# KiCad board Boom-1.kicad_pcb (continued)
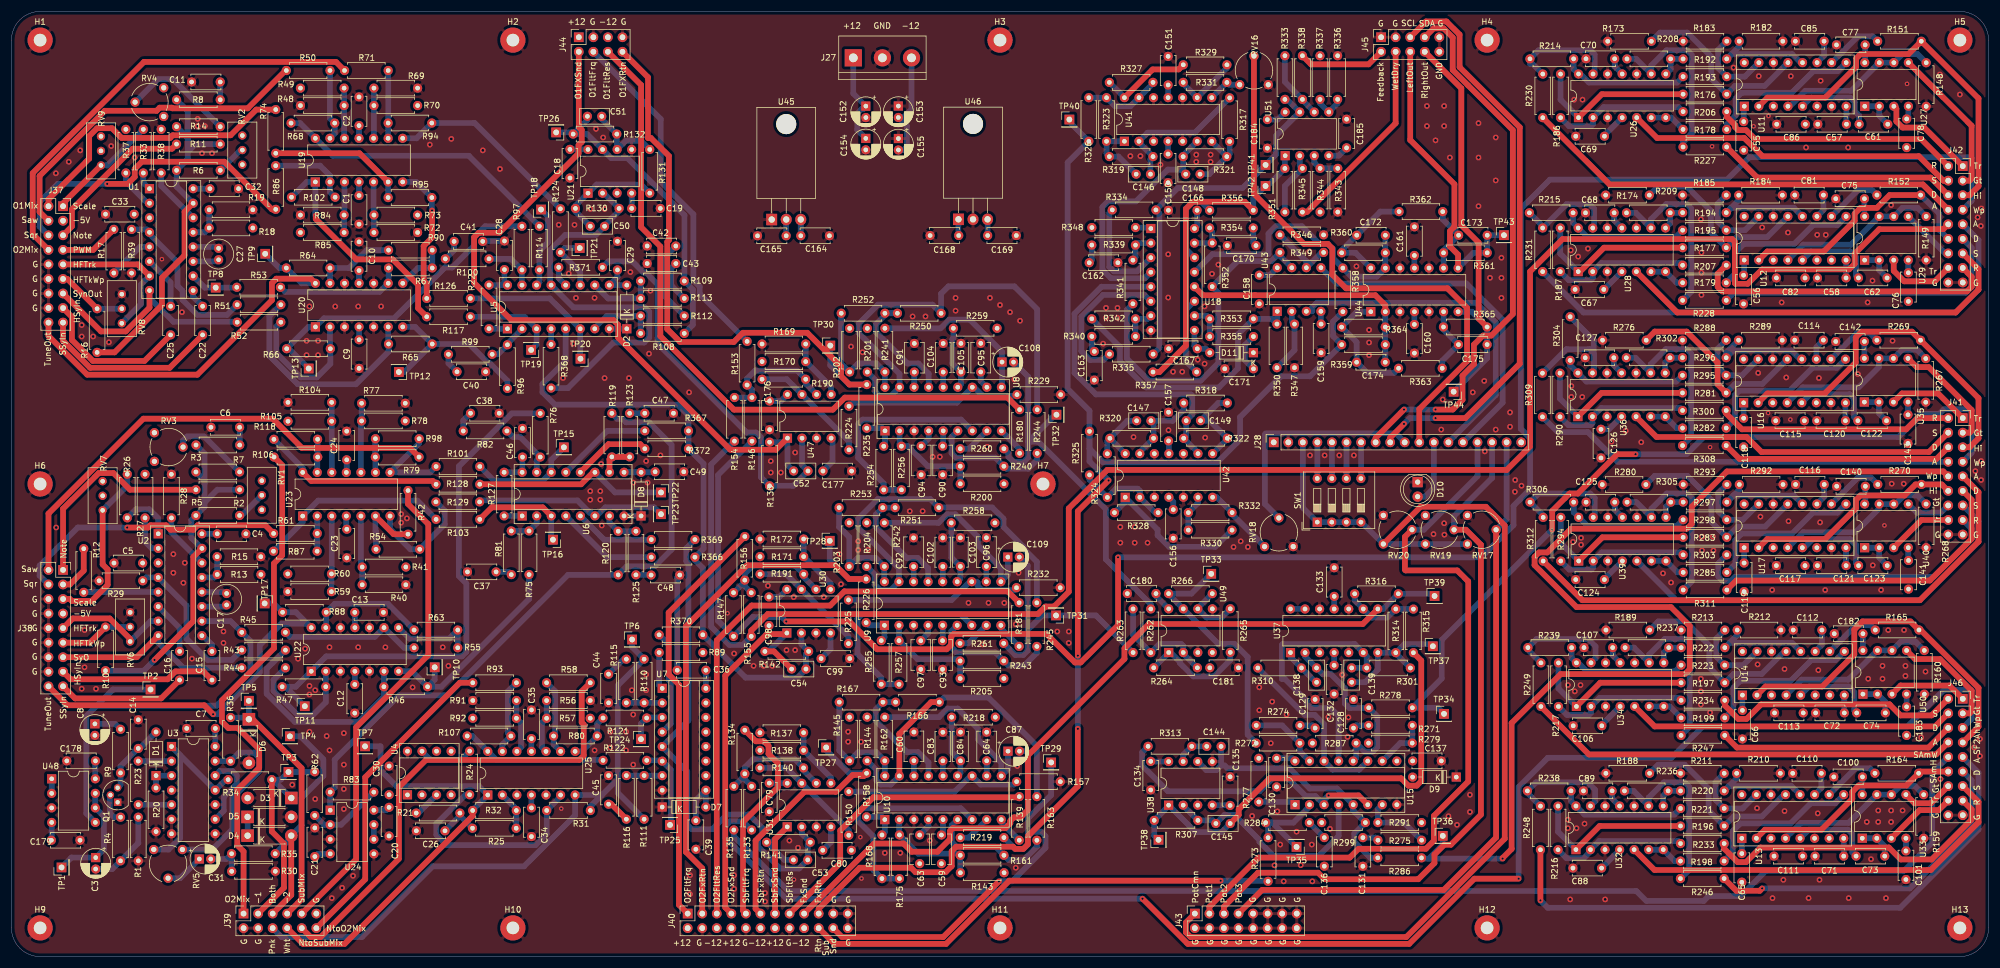
[diagram p0: board, top side]
## Placement (name value [footprint] x y rotation side) (continued)
U5  V2164D  [DIP-16_W7.62mm_Socket]  86.55 109.6 90 top
U6  V2164D  [DIP-16_W7.62mm_Socket]  89.11 76.93 90 top
U7  V2164D  [DIP-16_W7.62mm_Socket]  113.56 46.82 0 top
U8  AS3320  [DIP-18_W7.62mm_Socket]  152.43 91.78 90 top
U9  AS3320  [DIP-18_W7.62mm_Socket]  152.33 57.82 90 top
U10  AS3320  [DIP-18_W7.62mm_Socket]  152.4 23.91 90 top
U11  AS3310  [DIP-16_W7.62mm_Socket]  302.38 148.45 90 top
U12  AS3310  [DIP-16_W7.62mm_Socket]  302.36 121.6 90 top
U13  AS3310  [DIP-16_W7.62mm_Socket]  301.95 20.64 90 top
U14  AS3310  [DIP-16_W7.62mm_Socket]  302.05 45.64 90 top
U15  V2164D  [DIP-16_W7.62mm_Socket]  223.97 26.51 90 top
U16  AS3310  [DIP-16_W7.62mm_Socket]  302.26 96.68 90 top
U17  AS3310  [DIP-16_W7.62mm_Socket]  302.35 71.38 90 top
U18  V2164D  [DIP-16_W7.62mm_Socket]  198.82 127.1 0 top
U19  TL074  [DIP-14_W7.62mm]  53.03 135.24 90 top
U20  TL074  [DIP-14_W7.62mm]  53.04 109.93 90 top
U21  TL072  [DIP-8_W7.62mm]  100.61 133.28 90 top
U22  TL074  [DIP-14_W7.62mm]  52.31 49.81 90 top
U23  TL074  [DIP-14_W7.62mm]  50.82 76.91 90 top
U24  TL072  [DIP-8_W7.62mm]  55.62 25.55 0 top
U25  TL074  [DIP-14_W7.62mm]  83.12 28.2 90 top
U26  TL074  [DIP-14_W7.62mm]  273.45 146.47 90 top
U27  TL072  [DIP-8_W7.62mm]  323.4 148.45 90 top
U28  TL074  [DIP-14_W7.62mm]  273.39 119.58 90 top
U29  TL072  [DIP-8_W7.62mm]  323.38 121.59 90 top
U30  TL072  [DIP-8_W7.62mm]  135.31 56.48 90 top
U31  TL072  [DIP-8_W7.62mm]  135.37 22.64 90 top
U32  TL074  [DIP-14_W7.62mm]  273 18.66 90 top
U33  TL072  [DIP-8_W7.62mm]  322.97 20.65 90 top
U34  TL074  [DIP-14_W7.62mm]  273.09 43.67 90 top
U35  TL072  [DIP-8_W7.62mm]  323.33 96.81 90 top
U36  TL074  [DIP-14_W7.62mm]  273.34 94.26 90 top
U37  TL074  [DIP-14_W7.62mm]  223.19 53.06 90 top
U38  TL072  [DIP-8_W7.62mm]  201.92 26.43 90 top
U39  TL074  [DIP-14_W7.62mm]  273.48 69.06 90 top
U40  TL072  [DIP-8_W7.62mm]  323.38 71.38 90 top
U41  TL074  [DIP-14_W7.62mm]  194.21 142.33 90 top
U42  TL074  [DIP-14_W7.62mm]  194.35 80.18 90 top
U43  TL072  [DIP-8_W7.62mm]  220.88 112.64 90 top
U44  TL074  [DIP-14_W7.62mm]  237.2 112.58 90 top
U45  L7905  [TO-220-3_Horizontal_TabDown]  132.66 128.67 0 top
U46  L7805  [TO-220-3_Horizontal_TabDown]  165.25 128.71 0 top
U47  TL072  [DIP-8_W7.62mm]  135.41 90.51 90 top
U48  TL072  [DIP-8_W7.62mm]  7.02 31.03 0 top
U49  TL072  [DIP-8_W7.62mm]  201.94 53.08 90 top
U50  TL072  [DIP-8_W7.62mm]  323.08 45.82 90 top
U51  TL072  [DIP-8_W7.62mm]  222.26 139.82 90 top

## Footprints (pads in the part's own frame, mm; a bottom-side part is the same pattern mirrored in y, then rotated)
C_Disc_D5.0mm_W2.5mm_P2.50mm
  round 1.6 hole 0.8: 1(0,0) 2(2.5,0)
C_Disc_D5.0mm_W2.5mm_P5.00mm
  round 1.6 hole 0.8: 1(0,0) 2(5,0)
C_Disc_D5.1mm_W3.2mm_P5.00mm
  round 1.6 hole 0.8: 1(0,0) 2(5,0)
C_Radial_D5.0mm_H11.0mm_P2.00mm
  round 1.6 hole 0.8: 1(0,0) 2(2,0)
CP_Radial_D5.0mm_P2.00mm
  rect 1.6x1.6 hole 0.8: 1(0,0)
  round 1.6 hole 0.8: 2(2,0)
D_DO-35_SOD27_P7.62mm_Horizontal
  rect 1.6x1.6 hole 0.8: 1(0,0)
  oval 1.6x1.6 hole 0.8: 2(7.62,0)
D_DO-41_SOD81_P7.62mm_Horizontal
  rect 2.2x2.2 hole 1.1: 1(0,0)
  oval 2.2x2.2 hole 1.1: 2(7.62,0)
DIP-8_W7.62mm
  rect 1.6x1.6 hole 0.8: 1(0,0)
  oval 1.6x1.6 hole 0.8: 2(0,-2.54) 3(0,-5.08) 4(0,-7.62) 5(7.62,-7.62) 6(7.62,-5.08) 7(7.62,-2.54) 8(7.62,0)
DIP-8_W7.62mm_Socket
  rect 1.6x1.6 hole 0.8: 1(0,0)
  oval 1.6x1.6 hole 0.8: 2(0,-2.54) 3(0,-5.08) 4(0,-7.62) 5(7.62,-7.62) 6(7.62,-5.08) 7(7.62,-2.54) 8(7.62,0)
DIP-14_W7.62mm
  rect 1.6x1.6 hole 0.8: 1(0,0)
  oval 1.6x1.6 hole 0.8: 2(0,-2.54) 3(0,-5.08) 4(0,-7.62) 5(0,-10.16) 6(0,-12.7) 7(0,-15.24) 8(7.62,-15.24) 9(7.62,-12.7) 10(7.62,-10.16) 11(7.62,-7.62) 12(7.62,-5.08) 13(7.62,-2.54) 14(7.62,0)
DIP-16_W7.62mm_Socket
  rect 1.6x1.6 hole 0.8: 1(0,0)
  oval 1.6x1.6 hole 0.8: 2(0,-2.54) 3(0,-5.08) 4(0,-7.62) 5(0,-10.16) 6(0,-12.7) 7(0,-15.24) 8(0,-17.78) 9(7.62,-17.78) 10(7.62,-15.24) 11(7.62,-12.7) 12(7.62,-10.16) 13(7.62,-7.62) 14(7.62,-5.08) 15(7.62,-2.54) 16(7.62,0)
DIP-18_W7.62mm_Socket
  rect 1.6x1.6 hole 0.8: 1(0,0)
  oval 1.6x1.6 hole 0.8: 2(0,-2.54) 3(0,-5.08) 4(0,-7.62) 5(0,-10.16) 6(0,-12.7) 7(0,-15.24) 8(0,-17.78) 9(0,-20.32) 10(7.62,-20.32) 11(7.62,-17.78) 12(7.62,-15.24) 13(7.62,-12.7) 14(7.62,-10.16) 15(7.62,-7.62) 16(7.62,-5.08) 17(7.62,-2.54) 18(7.62,0)
LED_D5.0mm
  rect 1.8x1.8 hole 0.9: 1(0,0)
  round 1.8 hole 0.9: 2(2.54,0)
MountingHole_2.2mm_M2_Pad
  round 4.4 hole 2.2: 1(0,0)
PinHeader_1x01_P2.54mm_Vertical
  rect 1.7x1.7 hole 1: 1(0,0)
PinSocket_1x18_P2.54mm_Vertical
  rect 1.7x1.7 hole 1: 1(0,0)
  oval 1.7x1.7 hole 1: 2(0,-2.54) 3(0,-5.08) 4(0,-7.62) 5(0,-10.16) 6(0,-12.7) 7(0,-15.24) 8(0,-17.78) 9(0,-20.32) 10(0,-22.86) 11(0,-25.4) 12(0,-27.94) 13(0,-30.48) 14(0,-33.02) 15(0,-35.56) 16(0,-38.1) 17(0,-40.64) 18(0,-43.18)
PinSocket_2x04_P2.54mm_Vertical
  rect 1.7x1.7 hole 1: 1(0,0)
  oval 1.7x1.7 hole 1: 2(-2.54,0) 3(0,-2.54) 4(-2.54,-2.54) 5(0,-5.08) 6(-2.54,-5.08) 7(0,-7.62) 8(-2.54,-7.62)
PinSocket_2x05_P2.54mm_Vertical
  rect 1.7x1.7 hole 1: 1(0,0)
  oval 1.7x1.7 hole 1: 2(-2.54,0) 3(0,-2.54) 4(-2.54,-2.54) 5(0,-5.08) 6(-2.54,-5.08) 7(0,-7.62) 8(-2.54,-7.62) 9(0,-10.16) 10(-2.54,-10.16)
PinSocket_2x06_P2.54mm_Vertical
  rect 1.7x1.7 hole 1: 1(0,0)
  oval 1.7x1.7 hole 1: 2(-2.54,0) 3(0,-2.54) 4(-2.54,-2.54) 5(0,-5.08) 6(-2.54,-5.08) 7(0,-7.62) 8(-2.54,-7.62) 9(0,-10.16) 10(-2.54,-10.16) 11(0,-12.7) 12(-2.54,-12.7)
PinSocket_2x08_P2.54mm_Vertical
  rect 1.7x1.7 hole 1: 1(0,0)
  oval 1.7x1.7 hole 1: 2(-2.54,0) 3(0,-2.54) 4(-2.54,-2.54) 5(0,-5.08) 6(-2.54,-5.08) 7(0,-7.62) 8(-2.54,-7.62) 9(0,-10.16) 10(-2.54,-10.16) 11(0,-12.7) 12(-2.54,-12.7) 13(0,-15.24) 14(-2.54,-15.24) 15(0,-17.78) 16(-2.54,-17.78)
PinSocket_2x09_P2.54mm_Vertical
  rect 1.7x1.7 hole 1: 1(0,0)
  oval 1.7x1.7 hole 1: 2(-2.54,0) 3(0,-2.54) 4(-2.54,-2.54) 5(0,-5.08) 6(-2.54,-5.08) 7(0,-7.62) 8(-2.54,-7.62) 9(0,-10.16) 10(-2.54,-10.16) 11(0,-12.7) 12(-2.54,-12.7) 13(0,-15.24) 14(-2.54,-15.24) 15(0,-17.78) 16(-2.54,-17.78) 17(0,-20.32) 18(-2.54,-20.32)
PinSocket_2x12_P2.54mm_Vertical
  rect 1.7x1.7 hole 1: 1(0,0)
  oval 1.7x1.7 hole 1: 2(-2.54,0) 3(0,-2.54) 4(-2.54,-2.54) 5(0,-5.08) 6(-2.54,-5.08) 7(0,-7.62) 8(-2.54,-7.62) 9(0,-10.16) 10(-2.54,-10.16) 11(0,-12.7) 12(-2.54,-12.7) 13(0,-15.24) 14(-2.54,-15.24) 15(0,-17.78) 16(-2.54,-17.78) 17(0,-20.32) 18(-2.54,-20.32) 19(0,-22.86) 20(-2.54,-22.86) 21(0,-25.4) 22(-2.54,-25.4) 23(0,-27.94) 24(-2.54,-27.94)
Potentiometer_Bourns_3296W_Vertical
  round 1.44 hole 0.8: 1(0,0) 2(-2.54,0) 3(-5.08,0)
Potentiometer_Piher_PT-6-V_Vertical
  round 1.62 hole 0.9: 1(0,0) 2(5,2.5) 3(0,5)
R_Axial_DIN0207_L6.3mm_D2.5mm_P7.62mm_Horizontal
  round 1.6 hole 0.8: 1(0,0)
  oval 1.6x1.6 hole 0.8: 2(7.62,0)
SW_DIP_SPSTx04_Slide_9.78x12.34mm_W7.62mm_P2.54mm
  rect 1.6x1.6 hole 0.8: 1(0,0)
  oval 1.6x1.6 hole 0.8: 2(0,-2.54) 3(0,-5.08) 4(0,-7.62) 5(7.62,-7.62) 6(7.62,-5.08) 7(7.62,-2.54) 8(7.62,0)
TerminalBlock_bornier-3_P5.08mm
  rect 3x3 hole 1.52: 1(0,0)
  round 3 hole 1.52: 2(5.08,0) 3(10.16,0)
TO-92
  rect 1.3x1.3 hole 0.75: 1(0,0)
  round 1.3 hole 0.75: 2(1.27,1.27) 3(2.54,0)
TO-220-3_Horizontal_TabDown
  oval 3.5x3.5 hole 3.5 unplated: (2.54,16.66)
  rect 1.905x2 hole 1.1: 1(0,0)
  oval 1.905x2 hole 1.1: 2(2.54,0) 3(5.08,0)

## Nets
+5V: C30.1 C169.2 J28.1 R41.1 R49.1 R57.1 R60.1 R70.1 R73.1 R78.1 R85.1 R92.1 R105.1 R337.1 R344.1 U4.1 U46.3
+12V: C1.2 C4.1 C7.2 C8.1 C9.2 C12.2 C18.2 C20.2 C23.2 C28.1 C32.1 C34.2 C36.1 C46.1 C67.2 C69.2 C75.2 C77.2 C79.2 C81.2 C83.1 C85.2 C88.2 C98.2 C100.2 C102.1 C104.1 C106.2 C110.2 C112.2 C114.2 C116.2 C124.2 C126.2 C130.1 C132.2 C134.2 C140.2 C142.2 C150.2 C152.1 C154.1 C156.2 C158.2 C160.2 C166.1 C168.1 C176.2 C178.2 C180.2 C182.2 C184.2 J27.1 J40.2 J40.8 J40.14 J44.1 R9.1 R13.2 R18.2 R22.2 R89.2 R127.2 R138.2 R170.2 R171.2 R277.2 R348.2 RV1.1 RV2.1 RV3.1 RV4.1 U1.16 U2.16 U3.14 U5.16 U6.16 U7.16 U8.14 U9.14 U10.14 U11.11 U12.11 U13.11 U14.11 U15.16 U16.11 U17.11 U18.16 U19.4 U20.4 U21.8 U22.4 U23.4 U24.8 U25.4 U26.4 U27.8 U28.4 U29.8 U30.8 U31.8 U32.4 U33.8 U34.4 U35.8 U36.4 U37.4 U38.8 U39.4 U40.8 U41.4 U42.4 U43.8 U44.4 U46.1 U47.8 U48.8 U49.8 U50.8 U51.8
-5V: C5.2 C33.2 C82.1 C86.1 C111.1 C113.1 C115.1 C117.1 C164.1 J37.3 J38.7 R27.1 R37.1 R218.2 R258.2 R259.2 R279.1 R287.2 R291.1 R299.2 RV7.2 RV7.3 RV9.2 RV9.3 U1.3 U2.3 U11.6 U12.6 U13.6 U14.6 U16.6 U17.6 U45.3
-12V: C2.1 C10.1 C13.1 C19.1 C21.1 C24.1 C29.2 C35.1 C39.2 C49.2 C68.1 C70.1 C76.1 C78.1 C80.1 C89.1 C99.1 C101.1 C107.1 C125.1 C127.1 C133.1 C135.1 C137.2 C141.1 C143.1 C151.1 C153.2 C155.2 C157.1 C159.1 C161.1 C165.2 C167.2 C177.1 C179.1 C181.1 C183.1 C185.1 D2.2 D7.2 D8.2 D9.2 D11.2 J27.3 J40.6 J40.12 J40.18 J44.5 R143.2 R144.1 R145.2 R200.2 R201.1 R202.2 R203.2 R204.1 R205.2 RV1.3 RV2.3 RV3.3 RV4.3 U5.9 U6.9 U7.9 U15.9 U18.9 U19.11 U20.11 U21.4 U22.11 U23.11 U24.4 U25.11 U26.11 U27.4 U28.11 U29.4 U30.4 U31.4 U32.11 U33.4 U34.11 U35.4 U36.11 U37.11 U38.4 U39.11 U40.4 U41.11 U42.11 U43.4 U44.11 U45.2 U47.4 U48.4 U49.4 U50.4 U51.4
GND: C1.1 C2.2 C4.2 C5.1 C6.1 C7.1 C8.2 C9.1 C10.2 C11.1 C12.1 C13.2 C14.2 C17.1 C18.1 C19.2 C20.1 C21.2 C23.1 C24.2 C26.2 C27.1 C28.2 C29.1 C30.2 C32.2 C33.1 C34.1 C35.2 C36.2 C37.2 C38.2 C39.1 C40.2 C41.2 C42.2 C43.2 C44.2 C45.2 C46.2 C47.2 C48.2 C49.1 C55.2 C56.2 C57.1 C58.1 C59.1 C60.2 C63.2 C64.2 C65.2 C66.2 C67.1 C68.2 C69.1 C70.2 C71.1 C72.1 C75.1 C76.2 C77.1 C78.2 C79.1 C80.2 C81.1 C82.2 C83.2 C84.1 C85.1 C86.2 C88.1 C89.2 C90.1 C91.2 C92.2 C93.1 C94.2 C95.2 C96.2 C97.2 C98.1 C99.2 C100.1 C101.2 C102.2 C103.1 C104.2 C105.1 C106.1 C107.2 C110.1 C111.2 C112.1 C113.2 C114.1 C115.2 C116.1 C117.2 C118.2 C119.2 C120.1 C121.1 C124.1 C125.2 C126.1 C127.2 C128.2 C129.2 C130.2 C131.2 C132.1 C133.2 C134.1 C135.2 C136.2 C137.1 C140.1 C141.2 C142.1 C143.2 C150.1 C151.2 C152.2 C153.1 C154.2 C155.1 C156.1 C157.2 C158.1 C159.2 C160.1 C161.2 C162.2 C163.2 C164.2 C165.1 C166.2 C167.1 C168.2 C169.1 C170.2 C171.2 C176.1 C177.2 C178.1 C179.2 C180.1 C181.2 C182.1 C183.2 C184.1 C185.2 D2.1 D3.2 D5.2 D6.2 D7.1 D8.1 D9.1 D10.1 D11.1 H1.1 H2.1 H3.1 H4.1 H5.1 H6.1 H7.1 H9.1 H10.1 H11.1 H12.1 H13.1 J27.2 J28.2 J37.10 J37.12 J37.14 J37.16 J38.6 J38.8 J38.10 J38.12 J38.14 J38.16 J39.2 J39.4 J39.11 J40.4 J40.10 J40.16 J40.21 J40.23 J40.24 J41.17 J41.18 J42.17 J42.18 J43.2 J43.4 J43.6 J43.8 J43.9 J43.10 J43.11 J43.12 J43.13 J43.14 J43.15 J43.16 J44.3 J44.7 J45.1 J45.3 J45.9 J45.10 J46.17 J46.18 Q1.1 R1.2 R15.1 R19.1 R20.2 R28.1 R29.2 R30.2 R38.1 R39.2 R40.1 R48.1 R56.1 R59.1 R69.1 R72.1 R77.1 R84.1 R91.1 R104.1 R137.2 R148.2 R149.2 R157.2 R159.2 R160.2 R169.2 R172.2 R173.2 R174.2 R182.2 R183.2 R184.2 R185.2 R188.2 R189.2 R210.2 R211.2 R212.2 R213.2 R229.2 R232.2 R267.2 R268.2 R276.2 R280.2 R288.2 R289.2 R292.2 R293.2 R336.1 R343.1 R346.1 R347.1 RV6.3 RV8.3 RV16.1 RV17.3 RV18.1 RV19.3 RV20.3 U1.12 U2.12 U3.4 U3.6 U3.7 U3.8 U3.10 U4.8 U5.8 U6.8 U7.8 U8.3 U9.3 U10.3 U11.7 U11.14 U12.7 U12.14 U13.7 U13.14 U14.7 U14.14 U15.8 U16.7 U16.14 U17.7 U17.14 U18.8 U20.3 U20.5 U20.10 U20.12 U21.3 U21.5 U22.3 U22.5 U22.10 U22.12 U24.3 U24.5 U25.3 U25.5 U26.3 U26.10 U26.12 U28.3 U28.10 U28.12 U30.3 U31.3 U32.3 U32.10 U32.12 U34.3 U34.10 U34.12 U36.3 U36.10 U36.12 U37.3 U37.5 U37.10 U37.12 U38.3 U38.5 U39.3 U39.10 U39.12 U41.3 U41.5 U41.10 U41.12 U42.3 U42.5 U42.10 U42.12 U44.3 U44.5 U44.10 U44.12 U45.1 U46.2 U47.3 U48.3 U49.3 U49.5
FV1ControlCommonHigh: J28.3 J43.1 RV17.1 RV19.1 RV20.1 SW1.1 SW1.2 SW1.3 SW1.4
FV1ControlPot1Wiper: J28.15 J43.3 RV20.2
FV1ControlPot2Wiper: J28.16 J43.5 RV19.2
FV1ControlPot3Wiper: J28.17 J43.7 RV17.2
FV1EEpromSCL: J28.9 J45.5
FV1EEpromSDA: J28.8 J45.7
FV1FeedbackCV: J45.2 R338.1
FV1WetDryCV: J45.4 R345.1
MixOutLeftTip: C173.1 J45.6 R361.1 TP43.1 U44.8
MixOutRightTip: C175.1 J45.8 R365.1 TP44.1 U44.7
NoiseToOsc2FiltMixCV: J39.12 R93.1
NoiseToSubFiltMixCV: J39.10 R58.1
Osc1FiltFreqCV: J44.4 R153.2
Osc1FiltResCV: J44.6 R180.2
Osc1FXReturn: J44.8 R235.2 TP30.1
Osc1FXSend: C52.2 J44.2 R136.1 U47.1
Osc1HardSyncIn: C25.1 J37.15
Osc1HFTrackHigh: J37.9 RV8.1 U1.7
Osc1HFTrackWiper: J37.11 R16.2 RV8.2
Osc1NoteCV: J37.5 R11.2
Osc1PWMCV: J37.7 R17.1
Osc1SawMixCV: J37.4 R50.1
Osc1Scale: J37.1 R33.1 RV9.1
Osc1SoftSyncIn: C22.1 J37.17
Osc1SqrMixCV: J37.6 R86.1
Osc1SyncOut: J37.13 R52.2 U1.8
Osc1ToOsc1FiltMixCV: J37.2 R74.1
Osc1ToOsc2FiltMixCV: J37.8 R71.1
Osc1TuningOut: J37.18 R64.1 TP9.1 U20.14
Osc2FiltFreqCV: J40.1 R156.2
Osc2FiltResCV: J40.5 R181.2
Osc2FXReturn: J40.3 R226.2 TP28.1
Osc2FXSend: C54.2 J40.7 R142.1 U30.1
Osc2HardSyncIn: C16.1 J38.17
Osc2HFTrackHigh: J38.9 RV6.1 U2.7
Osc2HFTrackWiper: J38.11 R10.2 RV6.2
Osc2NoteCV: J38.1 R5.2
Osc2PWMCV: J38.3 R12.1
Osc2SawMixCV: J38.2 R79.1
Osc2Scale: J38.5 R26.1 RV7.1
Osc2SoftSyncIn: C15.1 J38.15
Osc2SqrMixCV: J38.4 R61.1
Osc2SyncOut: J38.13 R44.2 U2.8
Osc2TuningOut: J38.18 R88.1 TP17.1 U22.14
OscAmpEnvAmtHigh: J41.5 R269.2 U16.2
OscAmpEnvAmtWiper: J41.7 R278.1 TP34.1
OscAmpEnvAttackCV: J41.8 R309.1
OscAmpEnvDecayCV: J41.6 R308.1
OscAmpEnvGate: J41.3 U35.5
OscAmpEnvReleaseCV: J41.2 R300.1
OscAmpEnvSustainCV: J41.4 U36.5
OscAmpEnvTrigger: J41.1 U35.3
OscFiltEnv1AmtHigh: J42.5 R151.2 U11.2
OscFiltEnv1AmtWiper: J42.7 R146.1 R147.1
OscFiltEnv1AttackCV: J42.8 R230.1
OscFiltEnv1DecayCV: J42.6 R227.1
OscFiltEnv1Gate: J42.3 U27.5
OscFiltEnv1ReleaseCV: J42.2 R206.1
OscFiltEnv1SustainCV: J42.4 U26.5
OscFiltEnv1Trigger: J42.1 U27.3
OscFiltEnv2AmtHigh: J42.12 R152.2 U12.2
OscFiltEnv2AmtWiper: J42.10 R154.1 R155.1
OscFiltEnv2AttackCV: J42.9 R231.1
OscFiltEnv2DecayCV: J42.11 R228.1
OscFiltEnv2Gate: J42.14 U29.5
OscFiltEnv2ReleaseCV: J42.15 R207.1
OscFiltEnv2SustainCV: J42.13 U28.5
OscFiltEnv2Trigger: J42.16 U29.3
PinkNoiseOut: J39.6 R31.2 R110.2 R111.2 TP6.1 U25.7
PreFV1FXReturn: J40.19 R325.2 R326.2 R358.2 R359.1 TP40.1
PreFV1FXSend: J40.17 R316.1 TP39.1 U37.8
SubAmpAudioBypassReturn: J40.20 R273.2
SubAmpAudioBypassSend: C87.2 J40.22 R219.1 TP29.1
SubAmpEnvAmtHigh: J41.12 R270.2 U17.2
SubAmpEnvAmtWiper: J41.10 R286.1 TP36.1
SubAmpEnvAttackCV: J41.9 R312.1
SubAmpEnvDecayCV: J41.11 R311.1
SubAmpEnvGate: J41.14 U40.5
SubAmpEnvReleaseCV: J41.15 R303.1
SubAmpEnvSustainCV: J41.13 U39.5
SubAmpEnvTrigger: J41.16 U40.3
SubFiltEnv1AmtHigh: J46.12 R164.2 U13.2
SubFiltEnv1AmtWiper: J46.10 R135.1
SubFiltEnv1AttackCV: J46.9 R248.1
SubFiltEnv1DecayCV: J46.11 R246.1
SubFiltEnv1Gate: J46.14 U33.5
SubFiltEnv1ReleaseCV: J46.15 R233.1
SubFiltEnv1SustainCV: J46.13 U32.5
SubFiltEnv1Trigger: J46.16 U33.3
SubFiltEnv2AmtHigh: J46.7 R165.2 U14.2
SubFiltEnv2AmtWiper: J46.5 R133.1
SubFiltEnv2AttackCV: J46.8 R249.1
SubFiltEnv2DecayCV: J46.6 R247.1
SubFiltEnv2Gate: J46.3 U50.5
SubFiltEnv2ReleaseCV: J46.2 R234.1
SubFiltEnv2SustainCV: J46.4 U34.5
SubFiltEnv2Trigger: J46.1 U50.3
SubFiltFreqCV: J40.9 R134.2
SubFiltResCV: J40.15 R139.2
SubFXReturn: J40.11 R158.2 TP27.1
SubFXSend: C53.2 J40.13 R141.1 U31.1
SubOct1Out: D3.1 J39.3 R34.1 R62.2 TP3.1
SubOct2Out: D6.1 J39.7 R36.1 TP5.1
SubOctBothOut: D4.2 J39.5 R35.1 TP4.1
SubToOsc2FiltMixCV: J39.1 R106.1
SubToSubFiltMixCV: J39.9 R42.1
WhiteNoiseOut: J39.8 R32.2 TP7.1 U25.1
Net-(C3-Pad1): C3.1 TP1.1 U48.6 U48.7
Net-(C3-Pad2): C3.2 R1.1 R4.2
Net-(C6-Pad2): C6.2 R3.2
Net-(C11-Pad2): C11.2 R8.2
Net-(C14-Pad1): C14.1 D1.2 Q1.3 R9.2
Net-(C15-Pad2): C15.2 U2.9
Net-(C16-Pad2): C16.2 U2.6
Net-(C17-Pad2): C17.2 U2.11
Net-(C22-Pad2): C22.2 U1.9
Net-(C25-Pad2): C25.2 U1.6
Net-(C26-Pad1): C26.1 R21.1 R25.1
Net-(C27-Pad2): C27.2 U1.11
Net-(C31-Pad1): C31.1 RV5.2
Net-(C31-Pad2): C31.2 R30.1 R35.2
Net-(C37-Pad1): C37.1 R81.2
Net-(C38-Pad1): C38.1 R82.2
Net-(C40-Pad1): C40.1 R99.2
Net-(C41-Pad1): C41.1 R100.2
Net-(C42-Pad1): C42.1 R112.2
Net-(C43-Pad1): C43.1 R113.2
Net-(C44-Pad1): C44.1 R115.2
Net-(C45-Pad1): C45.1 R116.2
Net-(C47-Pad1): C47.1 R123.2
Net-(C48-Pad1): C48.1 R125.2
Net-(C50-Pad1): C50.1 R130.2 R368.2 U5.13 U21.2
Net-(C50-Pad2): C50.2 R130.1 R131.2 U21.1
Net-(C51-Pad1): C51.1 R131.1 R132.2 U21.6
Net-(C51-Pad2): C51.2 R108.2 R109.2 R132.1 TP26.1 U21.7
Net-(C52-Pad1): C52.1 R136.2 R371.1 U47.2
Net-(C53-Pad1): C53.1 R141.2 R369.1 U7.5 U31.2
Net-(C54-Pad1): C54.1 R142.2 R366.2 R367.1 R370.2 R372.1 U5.5 U30.2
Net-(C55-Pad1): C55.1 U11.1
Net-(C56-Pad1): C56.1 U12.1
Net-(C57-Pad2): C57.2 U11.8
Net-(C58-Pad2): C58.2 U12.8
Net-(C59-Pad2): C59.2 U10.5
Net-(C60-Pad1): C60.1 U10.16
Net-(C61-Pad1): C61.1 U11.5
Net-(C61-Pad2): C61.2 U27.1 U27.2
Net-(C62-Pad1): C62.1 U12.5
Net-(C62-Pad2): C62.2 U29.1 U29.2
Net-(C63-Pad1): C63.1 U10.4
Net-(C64-Pad1): C64.1 U10.11
Net-(C65-Pad1): C65.1 U13.1
Net-(C66-Pad1): C66.1 U14.1
Net-(C71-Pad2): C71.2 U13.8
Net-(C72-Pad2): C72.2 U14.8
Net-(C73-Pad1): C73.1 U13.5
Net-(C73-Pad2): C73.2 U33.1 U33.2
Net-(C74-Pad1): C74.1 U14.5
Net-(C74-Pad2): C74.2 U50.1 U50.2
Net-(C84-Pad2): C84.2 R218.1 U10.13
Net-(C87-Pad1): C87.1 R162.2 U10.10
Net-(C90-Pad2): C90.2 U8.5
Net-(C91-Pad1): C91.1 U8.16
Net-(C92-Pad1): C92.1 U9.16
Net-(C93-Pad2): C93.2 U9.5
Net-(C94-Pad1): C94.1 U8.4
Net-(C95-Pad1): C95.1 U8.11
Net-(C96-Pad1): C96.1 U9.11
Net-(C97-Pad1): C97.1 U9.4
Net-(C103-Pad2): C103.2 R258.1 U9.13
Net-(C105-Pad2): C105.2 R259.1 U8.13
Net-(C108-Pad1): C108.1 R241.2 U8.10
Net-(C108-Pad2): C108.2 R260.1 R262.2 TP32.1
Net-(C109-Pad1): C109.1 R242.2 U9.10
Net-(C109-Pad2): C109.2 R261.1 R263.1 TP31.1
Net-(C118-Pad1): C118.1 U16.1
Net-(C119-Pad1): C119.1 U17.1
Net-(C120-Pad2): C120.2 U16.8
Net-(C121-Pad2): C121.2 U17.8
Net-(C122-Pad1): C122.1 U16.5
Net-(C122-Pad2): C122.2 U35.1 U35.2
Net-(C123-Pad1): C123.1 U17.5
Net-(C123-Pad2): C123.2 U40.1 U40.2
Net-(C128-Pad1): C128.1 R271.2
Net-(C129-Pad1): C129.1 R274.2
Net-(C131-Pad1): C131.1 R275.2
Net-(C136-Pad1): C136.1 R284.2
Net-(C138-Pad1): C138.1 R310.1 U37.1
Net-(C138-Pad2): C138.2 R278.2 R287.1 U15.12 U37.2
Net-(C139-Pad1): C139.1 R301.1 U15.13 U37.6
Net-(C139-Pad2): C139.2 R301.2 R314.1 TP37.1 U37.7
Net-(C144-Pad1): C144.1 R313.1 U38.7
Net-(C144-Pad2): C144.2 R286.2 R299.1 U15.5 U38.6
Net-(C145-Pad1): C145.1 R307.1 U15.4 U38.2
Net-(C145-Pad2): C145.2 R307.2 R315.2 TP38.1 U38.1
Net-(C146-Pad1): C146.1 R319.2 R323.2 U41.1
Net-(C146-Pad2): C146.2 R317.1 R319.1 U41.2
Net-(C147-Pad1): C147.1 R320.1 R324.2 U42.14
Net-(C147-Pad2): C147.2 R318.2 R320.2 U42.13
Net-(C148-Pad1): C148.1 R317.2 R321.2 U41.7
Net-(C148-Pad2): C148.2 R321.1 U18.4 U41.6
Net-(C149-Pad1): C149.1 R318.1 R322.2 U42.8
Net-(C149-Pad2): C149.2 R322.1 U18.5 U42.9
Net-(C162-Pad1): C162.1 R339.2
Net-(C163-Pad1): C163.1 R340.2
Net-(C170-Pad1): C170.1 R354.2
Net-(C171-Pad1): C171.1 R355.2
Net-(C172-Pad1): C172.1 R360.1 R362.2 U44.14
Net-(C172-Pad2): C172.2 R358.1 R360.2 U18.13 U44.13
Net-(C173-Pad2): C173.2 R361.2 R362.1 U44.9
Net-(C174-Pad1): C174.1 R363.2 R364.1 U44.1
Net-(C174-Pad2): C174.2 R359.2 R364.2 U18.12 U44.2
Net-(C175-Pad2): C175.2 R363.1 R365.2 U44.6
Net-(D1-Pad1): D1.1 R20.1 U3.3
Net-(D4-Pad1): D4.1 D5.1
Net-(D10-Pad2): D10.2 J28.12
Net-(J28-Pad4): J28.4 SW1.8
Net-(J28-Pad5): J28.5 SW1.7
Net-(J28-Pad6): J28.6 SW1.6
Net-(J28-Pad7): J28.7 SW1.5
Net-(J28-Pad10): J28.10 RV18.2
Net-(J28-Pad11): J28.11 RV16.2
Net-(J28-Pad13): J28.13 U43.3
Net-(J28-Pad14): J28.14 U43.5
Net-(J28-Pad18): J28.18
Net-(Q1-Pad2): Q1.2 R4.1
Net-(R2-Pad1): R2.1 RV1.2
Net-(R6-Pad1): R6.1 RV2.2
Net-(R7-Pad1): R7.1 RV3.2
Net-(R10-Pad1): R2.2 R3.1 R5.1 R7.2 R10.1 U2.15
Net-(R11-Pad1): R6.2 R8.1 R11.1 R14.2 R16.1 U1.15
Net-(R12-Pad2): R12.2 U2.5
Net-(R13-Pad1): R13.1 R15.2 U2.13
Net-(R14-Pad1): R14.1 RV4.2
Net-(R17-Pad2): R17.2 U1.5
Net-(R18-Pad1): R18.1 R19.2 U1.13
Net-(R21-Pad2): R21.2 U4.3
Net-(R22-Pad1): R22.1 U5.1
Net-(R23-Pad1): R23.1 U3.2
Net-(R23-Pad2): R23.2 U3.5
Net-(R24-Pad1): R24.1 R31.1 U25.6
Net-(R24-Pad2): R24.2 U4.7
Net-(R25-Pad2): R25.2 R32.1 U25.2
Net-(R26-Pad2): R26.2 U2.1
Net-(R27-Pad2): R27.2 U2.2
Net-(R28-Pad2): R28.2 U2.14
Net-(R29-Pad1): R29.1 R43.2 U2.4
Net-(R33-Pad2): R33.2 U1.1
Net-(R34-Pad2): R34.2 RV5.1 U3.1 U3.11
Net-(R36-Pad2): R36.2 RV5.3 U3.13
Net-(R37-Pad2): R37.2 U1.2
Net-(R38-Pad2): R38.2 U1.14
Net-(R39-Pad1): R39.1 R51.2 U1.4
Net-(R40-Pad2): R40.2 R41.2 U23.5
Net-(R42-Pad2): R42.2 R54.1 U23.6
Net-(R43-Pad1): R43.1 R46.2 U22.6
Net-(R44-Pad1): R44.1 R47.2 U22.2
Net-(R45-Pad1): R45.1 R55.2 U22.9
Net-(R45-Pad2): R45.2 TP2.1 U2.10 U48.5
Net-(R46-Pad1): R46.1 R75.2 TP10.1 U22.7
Net-(R47-Pad1): R47.1 R76.2 TP11.1 U22.1
Net-(R48-Pad2): R48.2 R49.2 U19.12
Net-(R50-Pad2): R50.2 R68.1 U19.13
Net-(R51-Pad1): R51.1 R65.2 U20.6
Net-(R52-Pad1): R52.1 R66.2 U20.2
Net-(R53-Pad1): R53.1 R67.2 U20.9
Net-(R53-Pad2): R53.2 TP8.1 U1.10
Net-(R55-Pad1): R55.1 R63.1 U22.8
Net-(R56-Pad2): R56.2 R57.2 U25.10
Net-(R58-Pad2): R58.2 R80.1 U25.9
Net-(R59-Pad2): R59.2 R60.2 U23.3
Net-(R61-Pad2): R61.2 R87.1 U23.2
Net-(R62-Pad1): R62.1 R83.2 U24.2
Net-(R63-Pad2): R63.2 R88.2 U22.13
Net-(R64-Pad2): R64.2 R90.2 U20.13
Net-(R65-Pad1): R65.1 R96.2 TP12.1 U20.7
Net-(R66-Pad1): R66.1 R97.2 TP13.1 U20.1
Net-(R67-Pad1): R67.1 R90.1 U20.8
Net-(R69-Pad2): R69.2 R70.2 U19.10
Net-(R71-Pad2): R71.2 R94.1 U19.9
Net-(R72-Pad2): R72.2 R73.2 U19.5
Net-(R74-Pad2): R74.2 R95.1 U19.6
Net-(R75-Pad1): R75.1 R81.1 U6.2
Net-(R76-Pad1): R76.1 R82.1 U6.15
Net-(R77-Pad2): R77.2 R78.2 U23.10
Net-(R79-Pad2): R79.2 R98.1 U23.9
Net-(R84-Pad2): R84.2 R85.2 U19.3
Net-(R89-Pad1): R89.1 U7.1
Net-(R91-Pad2): R91.2 R92.2 U25.12
Net-(R96-Pad1): R96.1 R99.1 U5.2
Net-(R100-Pad1): R97.1 R100.1 U5.15
Net-(R101-Pad1): R101.1 TP15.1 U6.14
Net-(R101-Pad2): R98.2 R101.2 U23.8
Net-(R102-Pad1): R86.2 R102.1 U19.2
Net-(R102-Pad2): R102.2 R117.2 U19.1
Net-(R103-Pad1): R103.1 TP16.1 U6.3
Net-(R103-Pad2): R87.2 R103.2 U23.1
Net-(R104-Pad2): R104.2 R105.2 U23.12
Net-(R106-Pad2): R106.2 R118.1 U23.13
Net-(R107-Pad1): R93.2 R107.1 U25.13
Net-(R107-Pad2): R107.2 R122.2 U25.14
Net-(R108-Pad1): R108.1 R112.1 U5.7
Net-(R109-Pad1): R109.1 R113.1 U5.10
Net-(R110-Pad1): R110.1 R115.1 U7.2
Net-(R111-Pad1): R111.1 R116.1 U7.7
Net-(R114-Pad1): R114.1 TP18.1 U5.14
Net-(R114-Pad2): R68.2 R114.2 U19.14
Net-(R117-Pad1): R117.1 TP19.1 U5.3
Net-(R118-Pad2): R118.2 R128.1 U23.14
Net-(R119-Pad1): R119.1 R123.1 U6.10
Net-(R119-Pad2): R83.1 R119.2 R120.2 U24.1
Net-(R120-Pad1): R120.1 R125.1 U6.7
Net-(R121-Pad1): R121.1 TP24.1 U7.3
Net-(R121-Pad2): R80.2 R121.2 U25.8
Net-(R122-Pad1): R122.1 TP25.1 U7.6
Net-(R124-Pad1): R94.2 R124.1 U19.8
Net-(R124-Pad2): R124.2 TP21.1 U5.11
Net-(R126-Pad1): R95.2 R126.1 U19.7
Net-(R126-Pad2): R126.2 TP20.1 U5.6
Net-(R127-Pad1): R127.1 U6.1
Net-(R128-Pad2): R128.2 TP22.1 U6.11
Net-(R129-Pad1): R54.2 R129.1 U23.7
Net-(R129-Pad2): R129.2 TP23.1 U6.6
Net-(R133-Pad2): R133.2 R134.1 R135.2 R140.2 U31.6
Net-(R137-Pad1): R137.1 R138.1 U31.5
Net-(R139-Pad1): R139.1 U10.9
Net-(R140-Pad1): R140.1 R150.2 U31.7
Net-(R143-Pad1): R143.1 R161.2 R175.2 U10.2
Net-(R144-Pad2): R144.2 R163.2 R166.1 U10.17
Net-(R145-Pad1): R145.1 R162.1 R167.1 U10.18
Net-(R146-Pad2): R146.2 R153.1 R154.2 R190.2 U47.6
Net-(R147-Pad2): R147.2 R155.2 R156.1 R191.2 U30.6
Net-(R148-Pad1): R148.1 U11.4 U27.6 U27.7
Net-(R149-Pad1): R149.1 U12.4 U29.6 U29.7
Net-(R150-Pad1): R150.1 R157.1 U10.12
Net-(R151-Pad1): R151.1 U11.10
Net-(R152-Pad1): R152.1 U12.10
Net-(R158-Pad1): R158.1 R168.2 U10.1
Net-(R159-Pad1): R159.1 U13.4 U33.6 U33.7
Net-(R160-Pad1): R160.1 U14.4 U50.6 U50.7
Net-(R161-Pad1): R161.1 R163.1 U10.6
Net-(R164-Pad1): R164.1 U13.10
Net-(R165-Pad1): R165.1 U14.10
Net-(R166-Pad2): R166.2 R167.2 U10.15
Net-(R168-Pad1): R168.1 R175.1 U10.7
Net-(R169-Pad1): R169.1 R170.1 U47.5
Net-(R171-Pad1): R171.1 R172.1 U30.5
Net-(R173-Pad1): R173.1 R176.1 U11.13
Net-(R174-Pad1): R174.1 R177.1 U12.13
Net-(R176-Pad2): R176.2 R186.1 U26.1
Net-(R177-Pad2): R177.2 R187.1 U28.1
Net-(R178-Pad1): R178.1 U11.9
Net-(R178-Pad2): R178.2 U26.6 U26.7
Net-(R179-Pad1): R179.1 U12.9
Net-(R179-Pad2): R179.2 U28.6 U28.7
Net-(R180-Pad1): R180.1 U8.9
Net-(R181-Pad1): R181.1 U9.9
Net-(R182-Pad1): R182.1 R192.1 U11.12
Net-(R183-Pad1): R183.1 R193.1 U11.15
Net-(R184-Pad1): R184.1 R194.1 U12.12
Net-(R185-Pad1): R185.1 R195.1 U12.15
Net-(R186-Pad2): R186.2 R206.2 U26.2
Net-(R187-Pad2): R187.2 R207.2 U28.2
Net-(R188-Pad1): R188.1 R196.1 U13.13
Net-(R189-Pad1): R189.1 R197.1 U14.13
Net-(R190-Pad1): R190.1 R224.2 U47.7
Net-(R191-Pad1): R191.1 R225.2 U30.7
Net-(R192-Pad2): R192.2 R208.1 U26.8
Net-(R193-Pad2): R193.2 R214.1 U26.14
Net-(R194-Pad2): R194.2 R209.1 U28.8
Net-(R195-Pad2): R195.2 R215.1 U28.14
Net-(R196-Pad2): R196.2 R216.1 U32.1
Net-(R197-Pad2): R197.2 R217.1 U34.1
Net-(R198-Pad1): R198.1 U13.9
Net-(R198-Pad2): R198.2 U32.6 U32.7
Net-(R199-Pad1): R199.1 U14.9
Net-(R199-Pad2): R199.2 U34.6 U34.7
Net-(R200-Pad1): R200.1 R240.2 R256.2 U8.2
Net-(R201-Pad2): R201.2 R244.2 R250.1 U8.17
Net-(R202-Pad1): R202.1 R241.1 R252.1 U8.18
Net-(R203-Pad1): R203.1 R242.1 R253.1 U9.18
Net-(R204-Pad2): R204.2 R245.2 R251.1 U9.17
Net-(R205-Pad1): R205.1 R243.2 R257.2 U9.2
Net-(R208-Pad2): R208.2 R227.2 U26.9
Net-(R209-Pad2): R209.2 R228.2 U28.9
Net-(R210-Pad1): R210.1 R220.1 U13.12
Net-(R211-Pad1): R211.1 R221.1 U13.15
Net-(R212-Pad1): R212.1 R222.1 U14.12
Net-(R213-Pad1): R213.1 R223.1 U14.15
Net-(R214-Pad2): R214.2 R230.2 U26.13
Net-(R215-Pad2): R215.2 R231.2 U28.13
Net-(R216-Pad2): R216.2 R233.2 U32.2
Net-(R217-Pad2): R217.2 R234.2 U34.2
Net-(R219-Pad2): R219.2 U10.8
Net-(R220-Pad2): R220.2 R236.1 U32.8
Net-(R221-Pad2): R221.2 R238.1 U32.14